# Allegro board 6089-103-RevB_76.brd (continued)
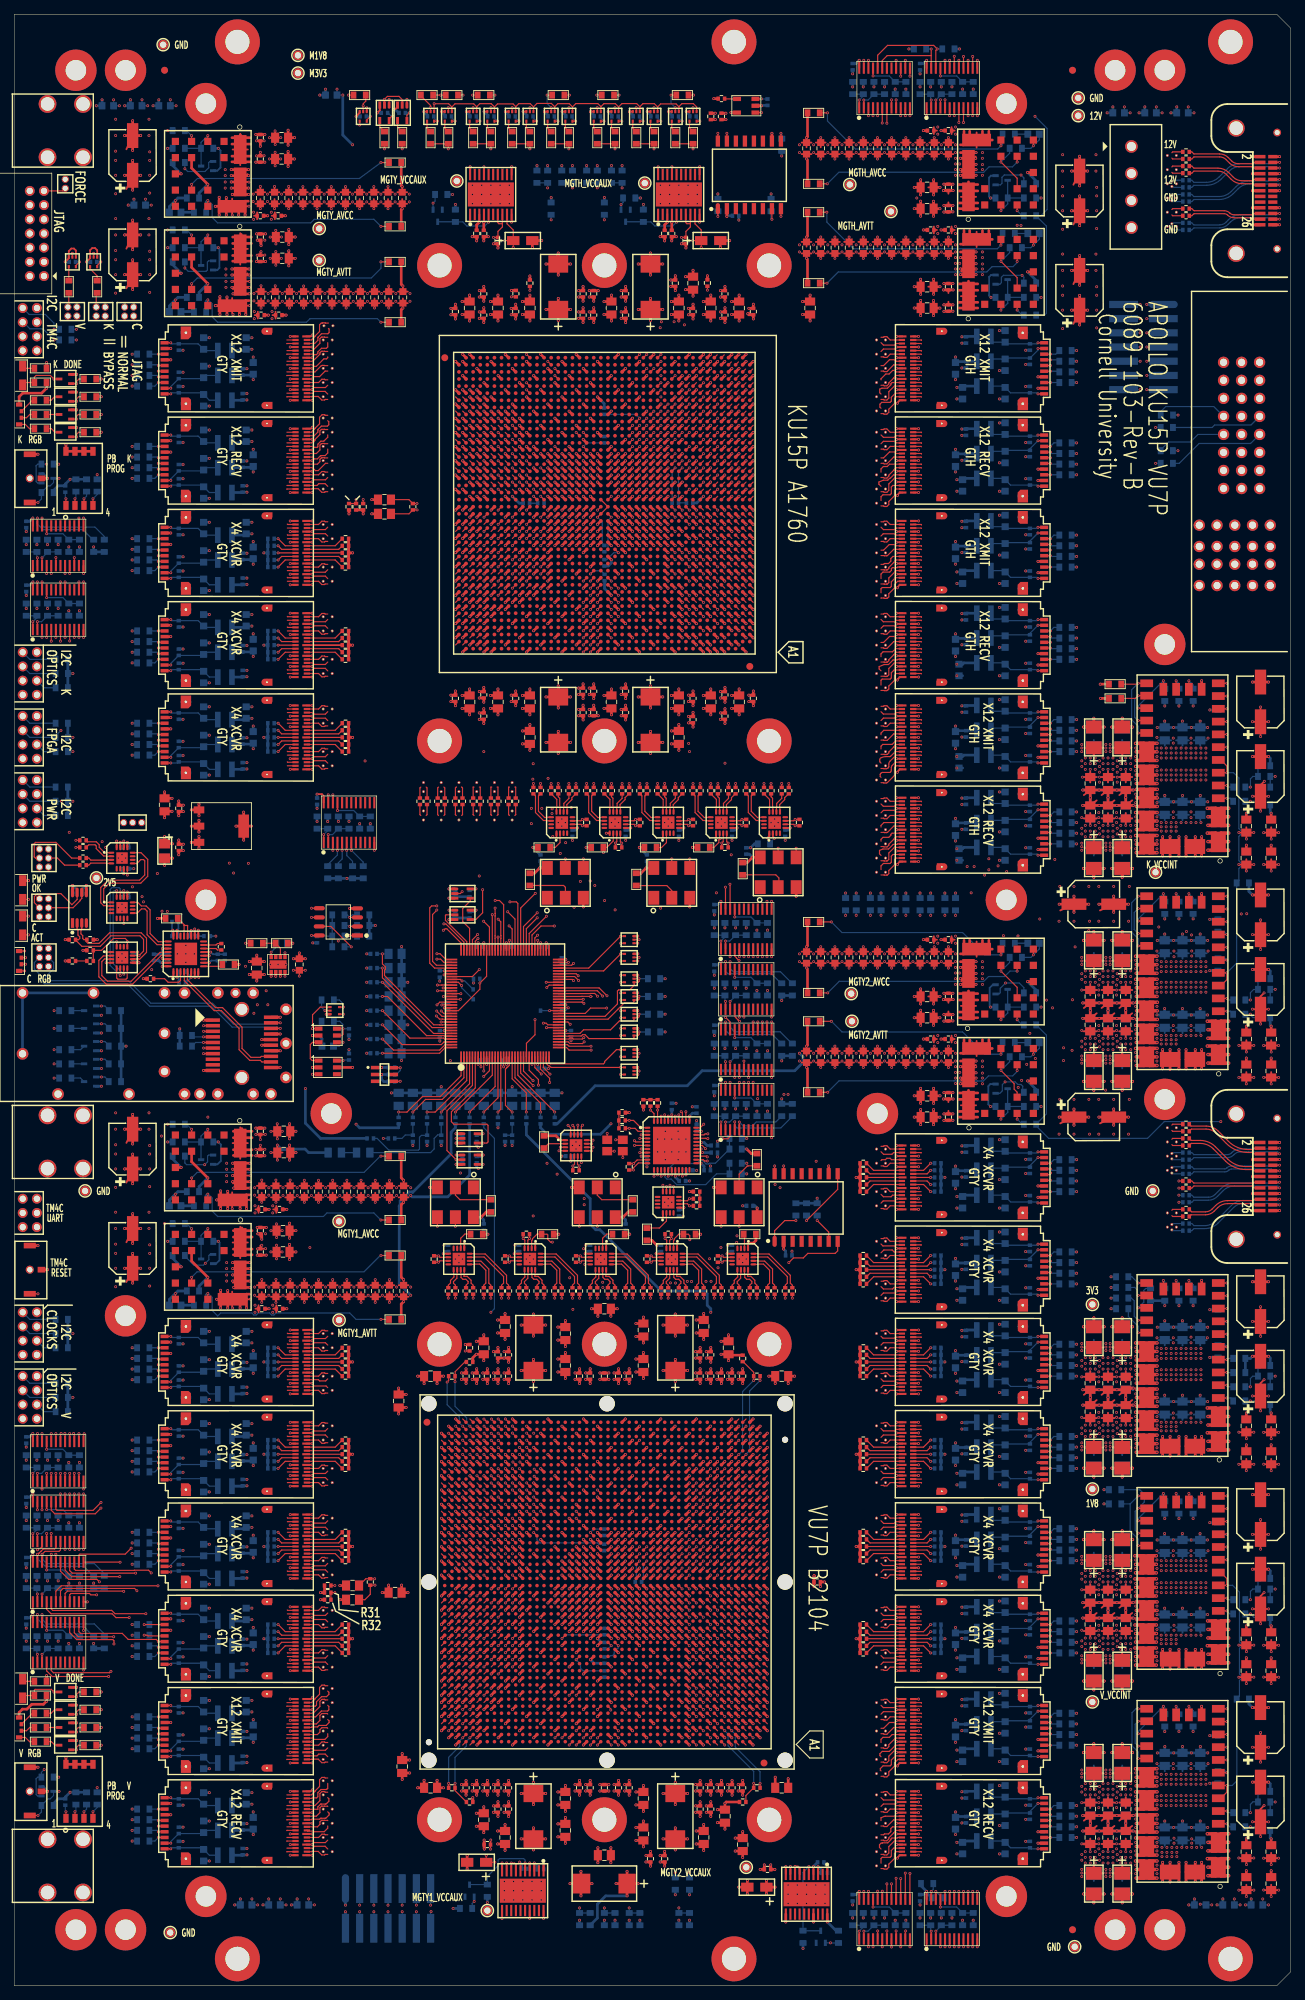
[diagram p0: board, top side]
## Routing (per net, layer and track width the routed paths; a pad name or vN(x,y) marks a point on that pad's centre or on a via; arc(x,y) is an arc through that point) (continued)
  GND2 w0.254: VA116.3 123.22,70.9 ; VA116.3 123.02,71.31 ; VA116.3 123.25,71.09 ; VA116.3 122.83,71.28 ; VA116.3 123.16,71.22 ; VA116.3 123.16,70.58 ; VA116.3 122.83,70.52 ; VA116.3 123.25,70.71 ; PM25.1 10.88,112 ; PM25.1 10.67,112.67 ; PM25.1 10,111.12 ; PM25.1 9.12,112 ; PM25.1 9.33,112.67 ; PM25.1 10.67,111.33 ; PM25.1 9.33,111.33 ; PM25.1 10,112.88 ; U13.25 38.31,128.99 ; U13.25 37.55,127.23 ; U13.25 39.32,127.99 ; U13.25 39.07,128.75 ; U13.25 38.31,126.98 ; U13.25 37.55,128.75 ; U13.25 39.07,127.23 ; U13.25 37.31,127.99 ; VA131.3 123.16,27.22 ; VA131.3 123.25,27.09 ; VA131.3 122.83,27.28 ; VA131.3 123.16,26.58 ; VA131.3 123.22,26.9 ; VA131.3 122.83,26.52 ; VA131.3 123.02,27.31 ; VA131.3 123.25,26.71 ; 121.56,158.52 VA99.4 ; VA99.4 121.56,159.28 ; VA99.4 121.24,158.58 ; VA99.4 121.24,159.22 ; VA99.4 121.38,158.49 ; VA99.4 121.15,158.71 ; VA99.4 121.18,158.9 ; VA99.4 121.15,159.09 ; 142.19,192.96 U107.G2 ; U107.G2 141.47,193.18 ; U107.G2 141.47,194.62 ; U107.G2 142.19,194.84 ; U107.G2 141.79,192.97 ; U107.G2 142.91,194.62 ; U107.G2 141.25,193.9 ; U107.G2 142.91,193.18 ; VA137.4 162.56,258.28 ; VA137.4 162.15,257.71 ; VA137.4 162.15,258.09 ; VA137.4 162.56,257.52 ; VA137.4 162.24,257.58 ; VA137.4 162.18,257.9 ; VA137.4 162.24,258.22 ; VA137.4 162.38,257.49 ; 121.24,165.22 VA96.4 ; VA96.4 121.15,164.71 ; VA96.4 121.38,164.49 ; VA96.4 121.56,164.52 ; VA96.4 121.15,165.09 ; VA96.4 121.56,165.28 ; VA96.4 121.24,164.58 ; VA96.4 121.18,164.9 ; 44.94,233.9 44.94,234.28 ; 44.94,233.9 45.26,233.58 ; 44.94,233.9 45.26,234.22 ; 44.94,233.9 45.12,234.31 ; 44.94,233.9 44.94,233.52 ; 44.94,233.9 45.35,233.71 ; 44.94,233.9 45.32,233.9 ; 44.94,233.9 45.35,234.09 ; VA15.3 45.16,197.58 ; VA15.3 44.84,198.28 ; VA15.3 45.16,198.22 ; VA15.3 45.02,198.31 ; VA15.3 44.84,197.52 ; VA15.3 45.25,198.09 ; VA15.3 45.22,197.9 ; VA15.3 45.25,197.71 ; 122.83,218.52 VA71.3 ; VA71.3 123.16,218.58 ; VA71.3 123.25,218.71 ; VA71.3 123.22,218.9 ; VA71.3 123.16,219.22 ; VA71.3 123.25,219.09 ; VA71.3 122.83,219.28 ; VA71.3 123.02,219.31 ; 121.24,177.58 VA90.4 ; VA90.4 121.18,177.9 ; VA90.4 121.56,177.52 ; VA90.4 121.38,177.49 ; VA90.4 121.15,178.09 ; VA90.4 121.24,178.22 ; VA90.4 121.15,177.71 ; VA90.4 121.56,178.28 ; VA18.3 45.16,187.22 ; VA18.3 44.84,187.28 ; VA18.3 45.22,186.9 ; VA18.3 45.02,187.31 ; VA18.3 44.84,186.52 ; VA18.3 45.25,186.71 ; VA18.3 45.16,186.58 ; VA18.3 45.25,187.09 ; J5.8 3.87,164.57 ; J5.8 2.53,164.57 ; J5.8 4.08,163.9 ; J5.8 2.53,163.23 ; J5.8 3.2,164.78 ; J5.8 3.2,163.02 ; J5.8 2.32,163.9 ; J5.8 3.87,163.23 ; 43.56,190.9 43.56,191.28 ; 43.56,190.9 43.56,190.52 ; 43.56,190.9 43.15,191.09 ; 43.56,190.9 43.24,191.22 ; 43.56,190.9 43.38,190.49 ; 43.56,190.9 43.18,190.9 ; 43.56,190.9 43.24,190.58 ; 43.56,190.9 43.15,190.71 ; VA62.4 68.02,165.86 ; VA62.4 67.32,165.53 ; VA62.4 67.89,165.95 ; VA62.4 68.08,165.53 ; VA62.4 68.11,165.72 ; VA62.4 67.7,165.92 ; VA62.4 67.29,165.72 ; VA62.4 67.38,165.86 ; VA79.3 123.16,201.58 ; VA79.3 123.25,202.09 ; VA79.3 123.16,202.22 ; VA79.3 123.02,202.31 ; VA79.3 122.83,202.28 ; VA79.3 122.83,201.52 ; VA79.3 123.22,201.9 ; VA79.3 123.25,201.71 ; 121.24,83.58 VA112.4 ; VA112.4 121.56,84.28 ; VA112.4 121.24,84.22 ; VA112.4 121.56,83.52 ; VA112.4 121.38,83.49 ; VA112.4 121.15,83.71 ; VA112.4 121.15,84.09 ; VA112.4 121.18,83.9 ; VA22.3 45.25,173.71 ; VA22.3 44.84,174.28 ; VA22.3 45.16,174.22 ; VA22.3 45.16,173.58 ; VA22.3 45.25,174.09 ; VA22.3 45.22,173.9 ; VA22.3 45.02,174.31 ; VA22.3 44.84,173.52 ; U23.G1 24.93,194.62 ; U23.G1 24.21,192.96 ; U23.G1 23.81,192.97 ; U23.G1 23.49,194.62 ; U23.G1 23.49,193.18 ; U23.G1 24.93,193.18 ; U23.G1 25.15,193.9 ; U23.G1 24.21,194.84 ; VA104.4 121.56,110.28 ; VA104.4 121.24,110.22 ; VA104.4 121.18,109.9 ; VA104.4 121.15,109.71 ; VA104.4 121.24,109.58 ; VA104.4 121.15,110.09 ; VA104.4 121.38,109.49 ; VA104.4 121.56,109.52 ; 122.83,231.52 VA65.3 ; VA65.3 123.25,232.09 ; VA65.3 122.83,232.28 ; VA65.3 123.22,231.9 ; VA65.3 123.25,231.71 ; VA65.3 123.16,231.58 ; VA65.3 123.02,232.31 ; VA65.3 123.16,232.22 ; 23.49,56.18 U27.G2 ; U27.G2 25.15,56.9 ; U27.G2 24.93,57.62 ; U27.G2 24.93,56.18 ; U27.G2 24.21,57.84 ; U27.G2 24.21,55.96 ; U27.G2 23.81,55.97 ; U27.G2 23.49,57.62 ; U104.G2 142.19,233.84 ; U104.G2 141.25,232.9 ; U104.G2 142.19,231.96 ; U104.G2 141.47,232.18 ; U104.G2 141.47,233.62 ; U104.G2 141.79,231.97 ; U104.G2 142.91,232.18 ; U104.G2 142.91,233.62 ; 121.38,173.49 VA92.4 ; VA92.4 121.56,174.28 ; VA92.4 121.56,173.52 ; VA92.4 121.24,173.58 ; VA92.4 121.18,173.9 ; VA92.4 121.15,173.71 ; VA92.4 121.15,174.09 ; VA92.4 121.24,174.22 ; VA26.3 45.25,85.71 ; VA26.3 45.16,85.58 ; VA26.3 44.84,86.28 ; VA26.3 45.02,86.31 ; VA26.3 45.22,85.9 ; VA26.3 44.84,85.52 ; VA26.3 45.25,86.09 ; VA26.3 45.16,86.22 ; 163.84,255.9 163.84,256.28 ; 163.84,255.9 164.25,256.09 ; 163.84,255.9 164.16,256.22 ; 163.84,255.9 163.84,255.52 ; 163.84,255.9 164.02,256.31 ; 163.84,255.9 164.25,255.71 ; 163.84,255.9 164.16,255.58 ; 163.84,255.9 164.22,255.9 ; 60.01,163.85 60.2,164.26 ; 60.2,164.26 59.88,163.94 ; 60.2,164.26 60.52,163.94 ; 60.2,164.26 59.82,164.26 ; 60.2,164.26 60.58,164.26 ; 60.2,164.26 60.61,164.08 ; 60.2,164.26 59.79,164.08 ; 60.2,164.26 60.2,163.88 ; VA7.4 45.25,218.71 ; VA7.4 45.16,218.58 ; VA7.4 45.02,219.31 ; VA7.4 45.25,219.09 ; VA7.4 45.16,219.22 ; VA7.4 44.84,219.28 ; VA7.4 45.22,218.9 ; VA7.4 44.84,218.52 ; VA111.3 123.25,85.71 ; VA111.3 123.16,85.58 ; VA111.3 122.83,86.28 ; VA111.3 123.25,86.09 ; VA111.3 123.16,86.22 ; VA111.3 123.22,85.9 ; VA111.3 123.02,86.31 ; VA111.3 122.83,85.52 ; U13.36 21.86,134.88 ; U13.36 20.52,134.88 ; U13.36 20.32,134.21 ; U13.36 22.07,134.21 ; U13.36 21.19,135.09 ; U13.36 21.19,133.33 ; U13.36 21.86,133.54 ; U13.36 20.52,133.54 ; VA83.3 123.16,193.22 ; VA83.3 123.25,193.09 ; VA83.3 123.22,192.9 ; VA83.3 122.83,192.52 ; VA83.3 122.83,193.28 ; VA83.3 123.02,193.31 ; VA83.3 123.16,192.58 ; VA83.3 123.25,192.71 ; VA23.3 45.22,171.9 ; VA23.3 45.16,171.58 ; VA23.3 45.25,171.71 ; VA23.3 45.16,172.22 ; VA23.3 44.84,172.28 ; VA23.3 44.84,171.52 ; VA23.3 45.25,172.09 ; VA23.3 45.02,172.31 ; 121.15,104.71 VA105.3 ; VA105.3 121.38,104.49 ; VA105.3 121.24,104.58 ; VA105.3 121.24,105.22 ; VA105.3 121.15,105.09 ; VA105.3 121.18,104.9 ; VA105.3 121.56,104.52 ; VA105.3 121.56,105.28 ; 162.38,106.49 VA148.4 ; VA148.4 162.24,106.58 ; VA148.4 162.15,106.71 ; VA148.4 162.56,106.52 ; VA148.4 162.18,106.9 ; VA148.4 162.56,107.28 ; VA148.4 162.24,107.22 ; VA148.4 162.15,107.09 ; 122.83,44.52 VA124.3 ; VA124.3 123.16,45.22 ; VA124.3 123.25,45.09 ; VA124.3 123.25,44.71 ; VA124.3 123.22,44.9 ; VA124.3 122.83,45.28 ; VA124.3 123.16,44.58 ; VA124.3 123.02,45.31 ; 67.7,168.26 68.11,168.08 ; 67.7,168.26 68.02,167.94 ; 67.7,168.26 68.08,168.26 ; 67.7,168.26 67.7,167.88 ; 67.7,168.26 67.51,167.85 ; 67.7,168.26 67.38,167.94 ; 67.7,168.26 67.32,168.26 ; 67.7,168.26 67.29,168.08 ; 20.52,129.5 U13.37 ; U13.37 20.32,128.83 ; U13.37 21.86,128.16 ; U13.37 21.86,129.5 ; U13.37 21.19,129.7 ; U13.37 21.19,127.95 ; U13.37 22.07,128.83 ; U13.37 20.52,128.16 ; 121.24,205.58 VA77.4 ; VA77.4 121.56,206.28 ; VA77.4 121.38,205.49 ; VA77.4 121.15,206.09 ; VA77.4 121.15,205.71 ; VA77.4 121.24,206.22 ; VA77.4 121.18,205.9 ; VA77.4 121.56,205.52 ; 23.49,232.18 U20.G1 ; U20.G1 23.81,231.97 ; U20.G1 24.21,231.96 ; U20.G1 25.15,232.9 ; U20.G1 24.21,233.84 ; U20.G1 23.49,233.62 ; U20.G1 24.93,232.18 ; U20.G1 24.93,233.62 ; 43.24,85.58 43.56,85.9 ; 43.56,85.9 43.18,85.9 ; 43.56,85.9 43.15,85.71 ; 43.56,85.9 43.15,86.09 ; 43.56,85.9 43.38,85.49 ; 43.56,85.9 43.56,85.52 ; 43.56,85.9 43.56,86.28 ; 43.56,85.9 43.24,86.22 ; VA125.3 123.16,40.22 ; VA125.3 123.22,39.9 ; VA125.3 123.25,39.71 ; VA125.3 123.25,40.09 ; VA125.3 122.83,40.28 ; VA125.3 123.02,40.31 ; VA125.3 122.83,39.52 ; VA125.3 123.16,39.58 ; VA8.4 45.22,216.9 ; VA8.4 44.84,216.52 ; VA8.4 45.25,216.71 ; VA8.4 45.16,216.58 ; VA8.4 44.84,217.28 ; VA8.4 45.16,217.22 ; VA8.4 45.25,217.09 ; VA8.4 45.02,217.31 ; VA45.4 45.16,32.22 ; VA45.4 45.16,31.58 ; VA45.4 44.84,32.28 ; VA45.4 45.22,31.9 ; VA45.4 45.25,31.71 ; VA45.4 44.84,31.52 ; VA45.4 45.25,32.09 ; VA45.4 45.02,32.31 ; VA72.4 121.56,217.28 ; VA72.4 121.24,216.58 ; VA72.4 121.24,217.22 ; VA72.4 121.15,217.09 ; VA72.4 121.56,216.52 ; VA72.4 121.18,216.9 ; VA72.4 121.15,216.71 ; VA72.4 121.38,216.49 ; 121.18,76.9 VA114.3 ; VA114.3 121.56,77.28 ; VA114.3 121.15,76.71 ; VA114.3 121.24,77.22 ; VA114.3 121.56,76.52 ; VA114.3 121.38,76.49 ; VA114.3 121.24,76.58 ; VA114.3 121.15,77.09 ; 141.47,118.18 U110.G2 ; U110.G2 141.79,117.97 ; U110.G2 142.19,119.84 ; U110.G2 142.91,119.62 ; U110.G2 141.25,118.9 ; U110.G2 141.47,119.62 ; U110.G2 142.91,118.18 ; U110.G2 142.19,117.96 ; VA24.4 44.84,92.28 ; VA24.4 44.84,91.52 ; VA24.4 45.22,91.9 ; VA24.4 45.02,92.31 ; VA24.4 45.16,91.58 ; VA24.4 45.25,92.09 ; VA24.4 45.16,92.22 ; VA24.4 45.25,91.71 ; 122.83,175.52 VA91.3 ; VA91.3 122.83,176.28 ; VA91.3 123.02,176.31 ; VA91.3 123.16,176.22 ; VA91.3 123.16,175.58 ; VA91.3 123.22,175.9 ; VA91.3 123.25,176.09 ; VA91.3 123.25,175.71 ; 121.15,79.09 VA113.3 ; VA113.3 121.15,78.71 ; VA113.3 121.56,79.28 ; VA113.3 121.24,79.22 ; VA113.3 121.56,78.52 ; VA113.3 121.38,78.49 ; VA113.3 121.18,78.9 ; VA113.3 121.24,78.58 ; 64.79,165.72 VA60.4 ; VA60.4 65.58,165.53 ; VA60.4 64.82,165.53 ; VA60.4 64.88,165.86 ; VA60.4 65.52,165.86 ; VA60.4 65.39,165.95 ; VA60.4 65.2,165.92 ; VA60.4 65.61,165.72 ; 121.24,224.22 VA69.4 ; VA69.4 121.18,223.9 ; VA69.4 121.24,223.58 ; VA69.4 121.38,223.49 ; VA69.4 121.15,223.71 ; VA69.4 121.15,224.09 ; VA69.4 121.56,224.28 ; VA69.4 121.56,223.52 ; U28.G1 25.15,53.9 ; U28.G1 24.21,54.84 ; U28.G1 23.49,53.18 ; U28.G1 23.49,54.62 ; U28.G1 23.81,52.97 ; U28.G1 24.93,54.62 ; U28.G1 24.93,53.18 ; U28.G1 24.21,52.96 ; 121.15,26.71 VA131.4 ; VA131.4 121.56,27.28 ; VA131.4 121.56,26.52 ; VA131.4 121.24,27.22 ; VA131.4 121.15,27.09 ; VA131.4 121.38,26.49 ; VA131.4 121.18,26.9 ; VA131.4 121.24,26.58 ; VA10.4 45.25,213.09 ; VA10.4 44.84,212.52 ; VA10.4 45.25,212.71 ; VA10.4 45.16,212.58 ; VA10.4 45.16,213.22 ; VA10.4 44.84,213.28 ; VA10.4 45.02,213.31 ; VA10.4 45.22,212.9 ; VA25.4 45.02,90.31 ; VA25.4 45.25,90.09 ; VA25.4 45.16,89.58 ; VA25.4 44.84,89.52 ; VA25.4 45.16,90.22 ; VA25.4 45.22,89.9 ; VA25.4 45.25,89.71 ; VA25.4 44.84,90.28 ; 142.19,179.96 U108.G2 ; U108.G2 141.79,179.97 ; U108.G2 141.25,180.9 ; U108.G2 141.47,180.18 ; U108.G2 142.91,181.62 ; U108.G2 141.47,181.62 ; U108.G2 142.19,181.84 ; U108.G2 142.91,180.18 ; 10.31,139.9 U13.35 ; U13.35 11.18,139.02 ; U13.35 11.18,140.78 ; U13.35 12.06,139.9 ; U13.35 11.86,139.23 ; U13.35 11.86,140.57 ; U13.35 10.51,139.23 ; U13.35 10.51,140.57 ; U13.23 39.32,137.59 ; U13.23 38.31,136.59 ; U13.23 39.07,138.35 ; U13.23 37.55,136.83 ; U13.23 37.55,138.35 ; U13.23 39.07,136.83 ; U13.23 38.31,138.59 ; U13.23 37.31,137.59 ; U112.G2 142.91,92.18 ; U112.G2 142.19,93.84 ; U112.G2 142.19,91.96 ; U112.G2 141.47,93.62 ; U112.G2 141.47,92.18 ; U112.G2 142.91,93.62 ; U112.G2 141.25,92.9 ; U112.G2 141.79,91.97 ; 163.84,118.9 164.16,119.22 ; 163.84,118.9 163.84,119.28 ; 163.84,118.9 164.25,119.09 ; 163.84,118.9 164.22,118.9 ; 163.84,118.9 164.16,118.58 ; 163.84,118.9 164.25,118.71 ; 163.84,118.9 163.84,118.52 ; 163.84,118.9 164.02,119.31 ; 141.47,108.18 U110.G1 ; U110.G1 141.47,109.62 ; U110.G1 142.19,109.84 ; U110.G1 141.79,107.97 ; U110.G1 141.25,108.9 ; U110.G1 142.19,107.96 ; U110.G1 142.91,108.18 ; U110.G1 142.91,109.62 ; U24.G1 25.15,180.9 ; U24.G1 24.93,180.18 ; U24.G1 23.81,179.97 ; U24.G1 24.93,181.62 ; U24.G1 23.49,181.62 ; U24.G1 24.21,179.96 ; U24.G1 24.21,181.84 ; U24.G1 23.49,180.18 ; 121.15,89.71 VA110.3 ; VA110.3 121.38,89.49 ; VA110.3 121.24,89.58 ; VA110.3 121.24,90.22 ; VA110.3 121.56,89.52 ; VA110.3 121.18,89.9 ; VA110.3 121.56,90.28 ; VA110.3 121.15,90.09 ; 163.84,253.9 164.25,254.09 ; 163.84,253.9 164.16,254.22 ; 163.84,253.9 164.25,253.71 ; 163.84,253.9 163.84,254.28 ; 163.84,253.9 164.02,254.31 ; 163.84,253.9 164.22,253.9 ; 163.84,253.9 163.84,253.52 ; 163.84,253.9 164.16,253.58 ; 121.24,115.58 VA102.3 ; VA102.3 121.18,115.9 ; VA102.3 121.15,115.71 ; VA102.3 121.56,115.52 ; VA102.3 121.15,116.09 ; VA102.3 121.38,115.49 ; VA102.3 121.56,116.28 ; VA102.3 121.24,116.22 ; 65.2,164.26 65.61,164.08 ; 65.2,164.26 64.82,164.26 ; 65.2,164.26 65.58,164.26 ; 65.2,164.26 65.52,163.94 ; 65.2,164.26 65.01,163.85 ; 65.2,164.26 64.88,163.94 ; 65.2,164.26 64.79,164.08 ; 65.2,164.26 65.2,163.88 ; PM22.1 150.67,265.33 ; PM22.1 150,265.12 ; PM22.1 149.12,266 ; PM22.1 149.33,265.33 ; PM22.1 150,266.88 ; PM22.1 149.33,266.67 ; PM22.1 150.67,266.67 ; PM22.1 150.88,266 ; 70.2,164.26 70.61,164.08 ; 70.2,164.26 69.82,164.26 ; 70.2,164.26 70.52,163.94 ; 70.2,164.26 70.2,163.88 ; 70.2,164.26 69.88,163.94 ; 70.2,164.26 69.79,164.08 ; 70.2,164.26 70.01,163.85 ; 70.2,164.26 70.58,164.26 ; 121.56,111.52 VA103.4 ; VA103.4 121.18,111.9 ; VA103.4 121.24,112.22 ; VA103.4 121.15,112.09 ; VA103.4 121.56,112.28 ; VA103.4 121.24,111.58 ; VA103.4 121.15,111.71 ; VA103.4 121.38,111.49 ; VA36.4 45.25,53.09 ; VA36.4 44.84,52.52 ; VA36.4 45.22,52.9 ; VA36.4 45.02,53.31 ; VA36.4 45.16,53.22 ; VA36.4 44.84,53.28 ; VA36.4 45.16,52.58 ; VA36.4 45.25,52.71 ; U114.G1 142.91,57.62 ; U114.G1 141.47,57.62 ; U114.G1 141.47,56.18 ; U114.G1 142.91,56.18 ; U114.G1 141.79,55.97 ; U114.G1 141.25,56.9 ; U114.G1 142.19,57.84 ; U114.G1 142.19,55.96 ; 43.38,70.49 43.56,70.9 ; 43.56,70.9 43.56,71.28 ; 43.56,70.9 43.15,71.09 ; 43.56,70.9 43.15,70.71 ; 43.56,70.9 43.56,70.52 ; 43.56,70.9 43.24,70.58 ; 43.56,70.9 43.24,71.22 ; 43.56,70.9 43.18,70.9 ; VA122.4 123.22,50.9 ; VA122.4 123.25,51.09 ; VA122.4 123.16,50.58 ; VA122.4 123.02,51.31 ; VA122.4 123.16,51.22 ; VA122.4 123.25,50.71 ; VA122.4 122.83,51.28 ; VA122.4 122.83,50.52 ; 141.25,69.9 U113.G1 ; U113.G1 141.47,69.18 ; U113.G1 142.19,68.96 ; U113.G1 142.19,70.84 ; U113.G1 142.91,69.18 ; U113.G1 141.47,70.62 ; U113.G1 141.79,68.97 ; U113.G1 142.91,70.62 ; VA14.3 44.84,200.28 ; VA14.3 45.22,199.9 ; VA14.3 44.84,199.52 ; VA14.3 45.16,199.58 ; VA14.3 45.16,200.22 ; VA14.3 45.02,200.31 ; VA14.3 45.25,200.09 ; VA14.3 45.25,199.71 ; P1.P2-10 167.81,206.54 ; P1.P2-10 166.33,205.06 ; P1.P2-10 167.07,204.82 ; P1.P2-10 167.81,205.06 ; P1.P2-10 167.07,206.78 ; P1.P2-10 166.09,205.8 ; P1.P2-10 168.05,205.8 ; P1.P2-10 166.33,206.54 ; 23.49,41.62 U29.G1 ; U29.G1 24.93,40.18 ; U29.G1 23.81,39.97 ; U29.G1 24.21,39.96 ; U29.G1 25.15,40.9 ; U29.G1 24.93,41.62 ; U29.G1 24.21,41.84 ; U29.G1 23.49,40.18 ; 24.21,81.96 U25.G2 ; U25.G2 23.81,81.97 ; U25.G2 23.49,82.18 ; U25.G2 24.93,83.62 ; U25.G2 23.49,83.62 ; U25.G2 25.15,82.9 ; U25.G2 24.21,83.84 ; U25.G2 24.93,82.18 ; 121.24,53.22 VA121.3 ; VA121.3 121.38,52.49 ; VA121.3 121.15,52.71 ; VA121.3 121.24,52.58 ; VA121.3 121.56,52.52 ; VA121.3 121.56,53.28 ; VA121.3 121.15,53.09 ; VA121.3 121.18,52.9 ; 121.15,160.71 VA98.4 ; VA98.4 121.56,160.52 ; VA98.4 121.24,161.22 ; VA98.4 121.15,161.09 ; VA98.4 121.18,160.9 ; VA98.4 121.38,160.49 ; VA98.4 121.56,161.28 ; VA98.4 121.24,160.58 ; 43.38,173.49 43.56,173.9 ; 43.56,173.9 43.24,173.58 ; 43.56,173.9 43.15,173.71 ; 43.56,173.9 43.56,173.52 ; 43.56,173.9 43.56,174.28 ; 43.56,173.9 43.24,174.22 ; 43.56,173.9 43.18,173.9 ; 43.56,173.9 43.15,174.09 ; VA34.3 45.16,59.58 ; VA34.3 45.02,60.31 ; VA34.3 45.25,59.71 ; VA34.3 45.25,60.09 ; VA34.3 45.22,59.9 ; VA34.3 44.84,60.28 ; VA34.3 45.16,60.22 ; VA34.3 44.84,59.52 ; 121.18,227.9 VA67.4 ; VA67.4 121.38,227.49 ; VA67.4 121.24,228.22 ; VA67.4 121.24,227.58 ; VA67.4 121.15,228.09 ; VA67.4 121.56,227.52 ; VA67.4 121.15,227.71 ; VA67.4 121.56,228.28 ; 57.7,167.88 57.7,168.26 ; 57.7,168.26 57.51,167.85 ; 57.7,168.26 58.02,167.94 ; 57.7,168.26 58.11,168.08 ; 57.7,168.26 58.08,168.26 ; 57.7,168.26 57.32,168.26 ; 57.7,168.26 57.38,167.94 ; 57.7,168.26 57.29,168.08 ; 141.47,44.62 U115.G1 ; U115.G1 141.79,42.97 ; U115.G1 141.25,43.9 ; U115.G1 142.91,44.62 ; U115.G1 142.19,42.96 ; U115.G1 142.19,44.84 ; U115.G1 142.91,43.18 ; U115.G1 141.47,43.18 ; J1.9 4.87,248.23 ; J1.9 4.2,248.02 ; J1.9 3.32,248.9 ; J1.9 4.87,249.57 ; J1.9 3.53,248.23 ; J1.9 4.2,249.78 ; J1.9 3.53,249.57 ; J1.9 5.08,248.9 ; 142.19,221.96 U104.G1 ; U104.G1 142.91,222.18 ; U104.G1 142.19,223.84 ; U104.G1 142.91,223.62 ; U104.G1 141.79,221.97 ; U104.G1 141.25,222.9 ; U104.G1 141.47,222.18 ; U104.G1 141.47,223.62 ; J4.8 4.08,172.9 ; J4.8 3.2,172.02 ; J4.8 2.53,172.23 ; J4.8 3.87,172.23 ; J4.8 3.87,173.57 ; J4.8 3.2,173.78 ; J4.8 2.32,172.9 ; J4.8 2.53,173.57 ; 121.18,212.9 VA74.4 ; VA74.4 121.15,212.71 ; VA74.4 121.15,213.09 ; VA74.4 121.24,213.22 ; VA74.4 121.24,212.58 ; VA74.4 121.38,212.49 ; VA74.4 121.56,213.28 ; VA74.4 121.56,212.52 ; VA112.3 123.16,84.22 ; VA112.3 123.25,83.71 ; VA112.3 123.25,84.09 ; VA112.3 123.22,83.9 ; VA112.3 122.83,83.52 ; VA112.3 123.16,83.58 ; VA112.3 122.83,84.28 ; VA112.3 123.02,84.31 ; 43.56,229.52 43.56,229.9 ; 43.56,229.9 43.15,229.71 ; 43.56,229.9 43.24,229.58 ; 43.56,229.9 43.24,230.22 ; 43.56,229.9 43.56,230.28 ; 43.56,229.9 43.15,230.09 ; 43.56,229.9 43.18,229.9 ; 43.56,229.9 43.38,229.49 ; 141.79,104.97 U111.G2 ; U111.G2 141.47,106.62 ; U111.G2 142.91,105.18 ; U111.G2 142.19,104.96 ; U111.G2 142.91,106.62 ; U111.G2 141.25,105.9 ; U111.G2 141.47,105.18 ; U111.G2 142.19,106.84 ; 121.24,103.22 VA106.3 ; VA106.3 121.56,103.28 ; VA106.3 121.15,103.09 ; VA106.3 121.38,102.49 ; VA106.3 121.24,102.58 ; VA106.3 121.15,102.71 ; VA106.3 121.18,102.9 ; VA106.3 121.56,102.52 ; P1.P2-6 172.81,206.54 ; P1.P2-6 171.09,205.8 ; P1.P2-6 173.05,205.8 ; P1.P2-6 171.33,205.06 ; P1.P2-6 172.07,206.78 ; P1.P2-6 172.81,205.06 ; P1.P2-6 171.33,206.54 ; P1.P2-6 172.07,204.82 ; U108.G1 142.91,171.62 ; U108.G1 142.19,171.84 ; U108.G1 142.19,169.96 ; U108.G1 141.25,170.9 ; U108.G1 142.91,170.18 ; U108.G1 141.79,169.97 ; U108.G1 141.47,170.18 ; U108.G1 141.47,171.62 ; 121.56,46.52 VA123.4 ; VA123.4 121.15,47.09 ; VA123.4 121.24,47.22 ; VA123.4 121.15,46.71 ; VA123.4 121.24,46.58 ; VA123.4 121.56,47.28 ; VA123.4 121.18,46.9 ; VA123.4 121.38,46.49 ; VA115.3 122.83,73.28 ; VA115.3 122.83,72.52 ; VA115.3 123.16,72.58 ; VA115.3 123.16,73.22 ; VA115.3 123.25,72.71 ; VA115.3 123.22,72.9 ; VA115.3 123.25,73.09 ; VA115.3 123.02,73.31 ; 121.24,191.22 VA84.4 ; VA84.4 121.15,190.71 ; VA84.4 121.15,191.09 ; VA84.4 121.38,190.49 ; VA84.4 121.24,190.58 ; VA84.4 121.18,190.9 ; VA84.4 121.56,190.52 ; VA84.4 121.56,191.28 ; 141.79,195.97 U106.G1 ; U106.G1 141.47,196.18 ; U106.G1 142.91,196.18 ; U106.G1 142.19,197.84 ; U106.G1 141.47,197.62 ; U106.G1 142.19,195.96 ; U106.G1 142.91,197.62 ; U106.G1 141.25,196.9 ; 121.24,221.58 VA70.4 ; VA70.4 121.24,222.22 ; VA70.4 121.15,221.71 ; VA70.4 121.18,221.9 ; VA70.4 121.38,221.49 ; VA70.4 121.56,222.28 ; VA70.4 121.56,221.52 ; VA70.4 121.15,222.09 ; VA102.4 123.16,115.58 ; VA102.4 123.25,116.09 ; VA102.4 123.16,116.22 ; VA102.4 123.22,115.9 ; VA102.4 123.02,116.31 ; VA102.4 123.25,115.71 ; VA102.4 122.83,115.52 ; VA102.4 122.83,116.28 ; U105.G2 142.19,220.84 ; U105.G2 142.19,218.96 ; U105.G2 142.91,219.18 ; U105.G2 141.25,219.9 ; U105.G2 141.79,218.97 ; U105.G2 141.47,219.18 ; U105.G2 142.91,220.62 ; U105.G2 141.47,220.62 ; VA125.4 121.56,40.28 ; VA125.4 121.24,39.58 ; VA125.4 121.18,39.9 ; VA125.4 121.24,40.22 ; VA125.4 121.56,39.52 ; VA125.4 121.15,40.09 ; VA125.4 121.38,39.49 ; VA125.4 121.15,39.71 ; 122.83,171.52 VA93.3 ; VA93.3 123.02,172.31 ; VA93.3 123.22,171.9 ; VA93.3 123.16,172.22 ; VA93.3 122.83,172.28 ; VA93.3 123.16,171.58 ; VA93.3 123.25,171.71 ; VA93.3 123.25,172.09 ; VA95.3 122.83,167.28 ; VA95.3 123.16,166.58 ; VA95.3 123.02,167.31 ; VA95.3 123.16,167.22 ; VA95.3 123.25,167.09 ; VA95.3 122.83,166.52 ; VA95.3 123.22,166.9 ; VA95.3 123.25,166.71 ; 121.24,85.58 VA111.4 ; VA111.4 121.15,86.09 ; VA111.4 121.56,85.52 ; VA111.4 121.15,85.71 ; VA111.4 121.56,86.28 ; VA111.4 121.24,86.22 ; VA111.4 121.18,85.9 ; VA111.4 121.38,85.49 ; VA101.4 123.25,118.09 ; VA101.4 122.83,118.28 ; VA101.4 123.02,118.31 ; VA101.4 123.25,117.71 ; VA101.4 123.22,117.9 ; VA101.4 123.16,117.58 ; VA101.4 123.16,118.22 ; VA101.4 122.83,117.52 ; J6.1 1.87,110.23 ; J6.1 2.07,111.28 ; J6.1 